# KiCad board SparkFun_RTK_Facet_mosaic_panelized.kicad_pcb (continued)
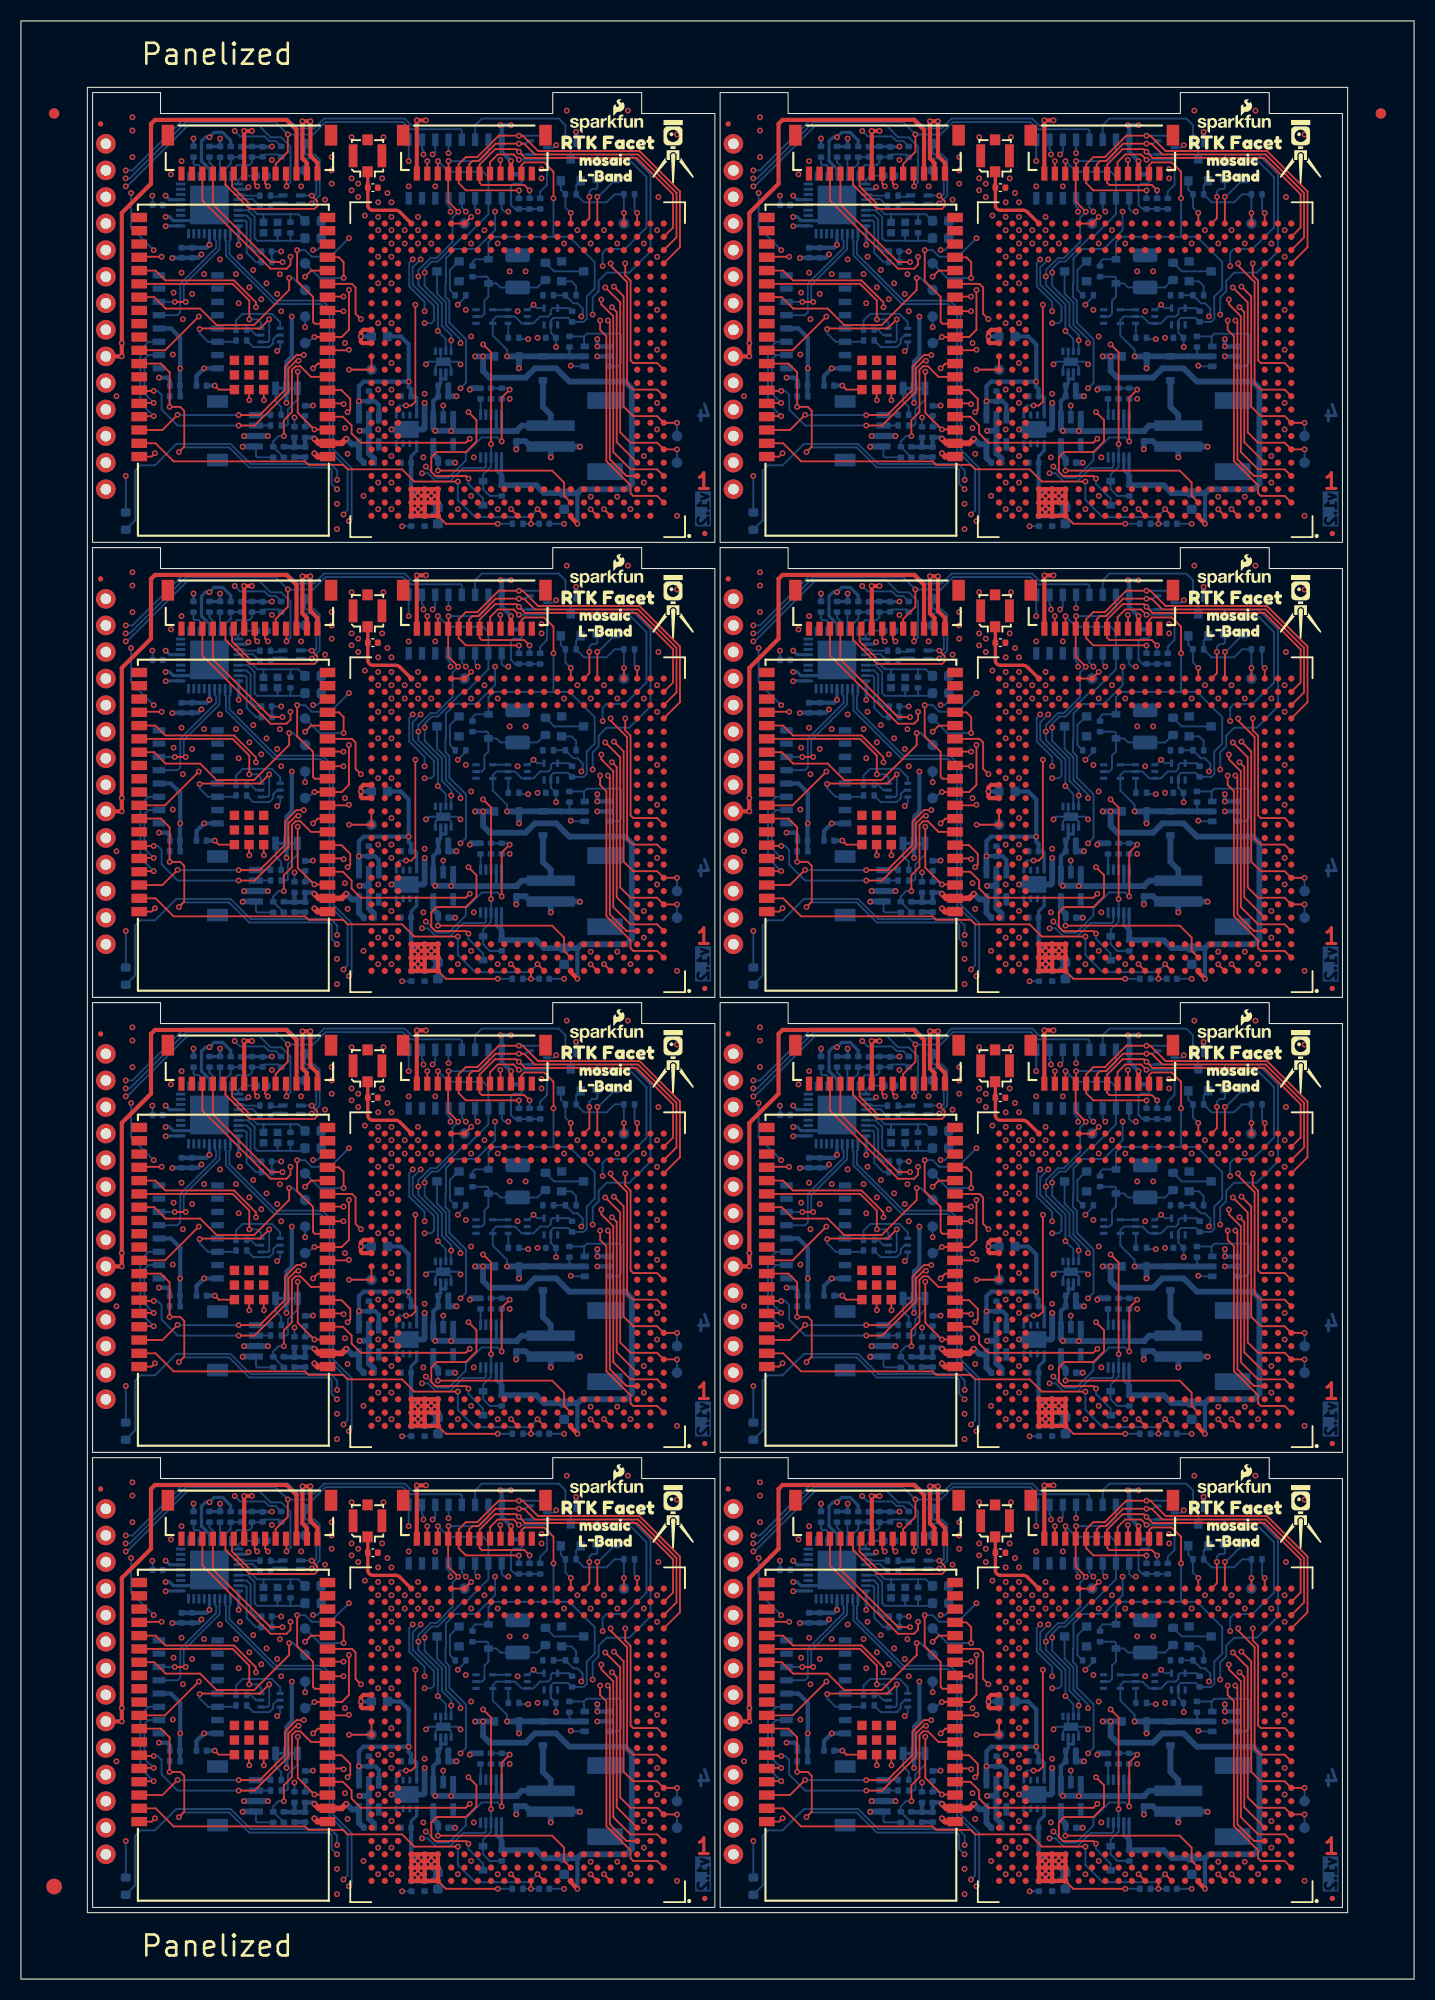
[diagram p0: board, top side]
## Routing (per net, layer and track width the routed paths; a pad name or vN(x,y) marks a point on that pad's centre or on a via; arc(x,y) is an arc through that point) (continued)
ESP23/MOnOff: length 346
  Top w0.178: v1(49.4,97.03) U2#8.A10 ; v1(41.78,56.17) 37.61,56.17 36.44,57.33 31.23,57.33 30.8,57.77 27.5,57.77 27.17,58.1 14.6,58.1 12.87,59.82 U1#3.37 ; U1#2.37 72.87,59.82 74.6,58.1 87.17,58.1 87.5,57.77 90.8,57.77 91.23,57.33 96.44,57.33 97.61,56.17 v1(101.78,56.17) ; U1#6.37 72.87,103.32 74.6,101.6 87.17,101.6 87.5,101.27 90.8,101.27 91.23,100.84 96.44,100.84 97.61,99.67 v1(101.78,99.67) ; v1(49.4,140.53) U2#7.A10 ; v1(101.78,12.67) 97.61,12.67 96.44,13.84 91.23,13.84 90.8,14.27 87.5,14.27 87.17,14.6 74.6,14.6 72.87,16.32 U1#5.37 ; v1(101.78,143.17) 97.61,143.17 96.44,144.34 91.23,144.34 90.8,144.77 87.5,144.77 87.17,145.1 74.6,145.1 72.87,146.82 U1#8.37 ; v1(41.78,99.67) 37.61,99.67 36.44,100.84 31.23,100.84 30.8,101.27 27.5,101.27 27.17,101.6 14.6,101.6 12.87,103.32 U1.37 ; v1(41.78,143.17) 37.61,143.17 36.44,144.34 31.23,144.34 30.8,144.77 27.5,144.77 27.17,145.1 14.6,145.1 12.87,146.82 U1#4.37 ; v1(109.4,97.03) U2#6.A10 ; v1(109.4,53.53) U2#2.A10 ; v1(49.4,53.53) U2#5.A10 ; U1#7.37 12.87,16.32 14.6,14.6 27.17,14.6 27.5,14.27 30.8,14.27 31.23,13.84 36.44,13.84 37.61,12.67 v1(41.78,12.67) ; v1(109.4,140.53) U2.A10 ; v1(49.4,10.03) U2#4.A10 ; v1(109.4,10.03) U2#3.A10
  Bottom w0.178: v1(101.78,12.67) 101.78,10.91 103.43,9.26 108.63,9.26 v1(109.4,10.03) ; v1(41.78,56.17) 41.78,54.41 43.43,52.76 48.63,52.76 v1(49.4,53.53) ; v1(101.78,99.67) 101.78,97.91 103.43,96.26 108.63,96.26 v1(109.4,97.03) ; v1(109.4,140.53) 108.63,139.76 103.43,139.76 101.78,141.41 v1(101.78,143.17) ; v1(49.4,97.03) 48.63,96.26 43.43,96.26 41.78,97.91 v1(41.78,99.67) ; v1(109.4,53.53) 108.63,52.76 103.43,52.76 101.78,54.41 v1(101.78,56.17) ; v1(41.78,12.67) 41.78,10.91 43.43,9.26 48.63,9.26 v1(49.4,10.03) ; v1(41.78,143.17) 41.78,141.41 43.43,139.76 48.63,139.76 v1(49.4,140.53)
ESP25/MRX4: length 413.6
  Top w0.178: v1(91.36,74.48) 91.36,70.67 90.67,69.98 U1#2.10 v1(88.06,69.98) ; U2#5.D3 57.9,56.7 56.3,58.3 56.3,71.37 v1(56.11,71.56) ; v1(31.36,117.98) 31.36,114.17 30.67,113.48 U1.10 v1(28.06,113.48) ; v1(116.11,71.56) 116.3,71.37 116.3,58.3 117.9,56.7 U2#2.D3 ; U2.D3 117.9,143.7 116.3,145.3 116.3,158.37 v1(116.11,158.56) ; v1(56.11,28.06) 56.3,27.87 56.3,14.8 57.9,13.2 U2#4.D3 ; v1(56.11,115.06) 56.3,114.87 56.3,101.8 57.9,100.2 U2#8.D3 ; v1(88.06,113.48) U1#6.10 90.67,113.48 91.36,114.17 v1(91.36,117.98) ; v1(31.36,74.48) 31.36,70.67 30.67,69.98 U1#3.10 v1(28.06,69.98) ; U2#6.D3 117.9,100.2 116.3,101.8 116.3,114.87 v1(116.11,115.06) ; v1(88.06,156.98) U1#8.10 90.67,156.98 91.36,157.67 v1(91.36,161.48) ; v1(56.11,158.56) 56.3,158.37 56.3,145.3 57.9,143.7 U2#7.D3 ; v1(88.06,26.48) U1#5.10 90.67,26.48 91.36,27.17 v1(91.36,30.98) ; v1(31.36,161.48) 31.36,157.67 30.67,156.98 U1#4.10 v1(28.06,156.98) ; v1(31.36,30.98) 31.36,27.17 30.67,26.48 U1#7.10 v1(28.06,26.48) ; U2#3.D3 117.9,13.2 116.3,14.8 116.3,27.87 v1(116.11,28.06)
  In2.Cu w0.178: v1(56.11,28.06) 56.11,28.58 54.27,30.42 37.1,30.42 36.75,30.07 32.28,30.07 v1(31.36,30.98) ; v1(116.11,28.06) 116.11,28.58 114.27,30.42 97.1,30.42 96.75,30.07 92.28,30.07 v1(91.36,30.98) ; v1(91.36,117.98) 92.28,117.07 96.75,117.07 97.1,117.42 114.27,117.42 116.11,115.58 v1(116.11,115.06) ; v1(116.11,158.56) 116.11,159.08 114.27,160.92 97.1,160.92 96.75,160.57 92.28,160.57 v1(91.36,161.48) ; v1(31.36,117.98) 32.28,117.07 36.75,117.07 37.1,117.42 54.27,117.42 56.11,115.58 v1(56.11,115.06) ; v1(116.11,71.56) 116.11,72.08 114.27,73.92 97.1,73.92 96.75,73.57 92.28,73.57 v1(91.36,74.48) ; v1(31.36,161.48) 32.28,160.57 36.75,160.57 37.1,160.92 54.27,160.92 56.11,159.08 v1(56.11,158.56) ; v1(31.36,74.48) 32.28,73.57 36.75,73.57 37.1,73.92 54.27,73.92 56.11,72.08 v1(56.11,71.56)
  Bottom w0.178: TP17#7.1 87.39,156.4 87.97,156.98 v1(88.06,156.98) ; TP17#5.1 27.39,112.9 27.97,113.48 v1(28.06,113.48) ; v1(28.06,26.48) 27.97,26.48 27.39,25.9 TP17#2.1 ; v1(88.06,69.98) 87.97,69.98 87.39,69.4 TP17#4.1 ; v1(28.06,69.98) 27.97,69.98 27.39,69.4 TP17#3.1 ; TP17#6.1 87.39,25.9 87.97,26.48 v1(88.06,26.48) ; v1(88.06,113.48) 87.97,113.48 87.39,112.9 TP17.1 ; v1(28.06,156.98) 27.97,156.98 27.39,156.4 TP17#8.1
ESP26/DAC2: length 317.6
  Top w0.178: U1#2.11 88.11,71.25 87.93,71.43 87.93,73.82 86.41,75.34 v1(86.41,78.29) ; U1.11 28.11,114.75 27.93,114.93 27.93,117.32 26.41,118.84 v1(26.41,121.79) ; U1#4.11 28.11,158.25 27.93,158.43 27.93,160.82 26.41,162.34 v1(26.41,165.29) ; U1#3.11 28.11,71.25 27.93,71.43 27.93,73.82 26.41,75.34 v1(26.41,78.29) ; v1(86.41,165.29) 86.41,162.34 87.93,160.82 87.93,158.43 88.11,158.25 U1#8.11 ; U1#5.11 88.11,27.75 87.93,27.93 87.93,30.32 86.41,31.84 v1(86.41,34.79) ; U1#7.11 28.11,27.75 27.93,27.93 27.93,30.32 26.41,31.84 v1(26.41,34.79) ; U1#6.11 88.11,114.75 87.93,114.93 87.93,117.32 86.41,118.84 v1(86.41,121.79)
  In2.Cu w0.178: v1(99.36,174.43) 98.84,174.96 98.23,174.96 98.22,174.94 96.86,174.94 96.22,174.3 96.22,173 99.89,169.33 99.89,168.47 100.1,168.27 100.1,165.56 99.83,165.29 92.5,165.29 v1(91.36,166.43) ; v1(31.36,122.93) 32.5,121.79 39.83,121.79 40.1,122.06 40.1,124.77 39.89,124.97 39.89,125.83 36.22,129.5 36.22,130.8 36.86,131.44 38.22,131.44 38.23,131.46 38.84,131.46 v1(39.36,130.93) ; v1(91.36,79.43) 92.5,78.29 99.83,78.29 100.1,78.56 100.1,81.27 99.89,81.47 99.89,82.33 96.22,86 96.22,87.3 96.86,87.94 98.22,87.94 98.23,87.96 98.84,87.96 v1(99.36,87.43) ; v1(91.36,122.93) 92.5,121.79 99.83,121.79 100.1,122.06 100.1,124.77 99.89,124.97 99.89,125.83 96.22,129.5 96.22,130.8 96.86,131.44 98.22,131.44 98.23,131.46 98.84,131.46 v1(99.36,130.93) ; v1(91.36,35.93) 92.5,34.79 99.83,34.79 100.1,35.06 100.1,37.77 99.89,37.97 99.89,38.83 96.22,42.5 96.22,43.8 96.86,44.44 98.22,44.44 98.23,44.46 98.84,44.46 v1(99.36,43.93) ; v1(31.36,166.43) 32.5,165.29 39.83,165.29 40.1,165.56 40.1,168.27 39.89,168.47 39.89,169.33 36.22,173 36.22,174.3 36.86,174.94 38.22,174.94 38.23,174.96 38.84,174.96 v1(39.36,174.43) ; v1(31.36,35.93) 32.5,34.79 39.83,34.79 40.1,35.06 40.1,37.77 39.89,37.97 39.89,38.83 36.22,42.5 36.22,43.8 36.86,44.44 38.22,44.44 38.23,44.46 38.84,44.46 v1(39.36,43.93) ; v1(39.36,87.43) 38.84,87.96 38.23,87.96 38.22,87.94 36.86,87.94 36.22,87.3 36.22,86 39.89,82.33 39.89,81.47 40.1,81.27 40.1,78.56 39.83,78.29 32.5,78.29 v1(31.36,79.43)
  Bottom w0.178: v1(99.36,43.93) 99.62,44.19 U13#3.11 ; v1(26.41,78.29) 27.17,78.29 27.81,77.66 29.58,77.66 v1(31.36,79.43) ; v1(86.41,165.29) 87.17,165.29 87.81,164.66 89.58,164.66 v1(91.36,166.43) ; U13.11 99.62,131.19 v1(99.36,130.93) ; U13#8.11 39.62,87.69 v1(39.36,87.43) ; v1(31.36,35.93) 29.58,34.16 27.81,34.16 27.17,34.79 v1(26.41,34.79) ; v1(99.36,174.43) 99.62,174.69 U13#5.11 ; U13#2.11 39.62,174.69 v1(39.36,174.43) ; U13#4.11 39.62,44.19 v1(39.36,43.93) ; v1(86.41,121.79) 87.17,121.79 87.81,121.16 89.58,121.16 v1(91.36,122.93) ; v1(26.41,165.29) 27.17,165.29 27.81,164.66 29.58,164.66 v1(31.36,166.43) ; U13#6.11 99.62,87.69 v1(99.36,87.43) ; U13#7.11 39.62,131.19 v1(39.36,130.93) ; v1(91.36,79.43) 89.58,77.66 87.81,77.66 87.17,78.29 v1(86.41,78.29) ; v1(31.36,122.93) 29.58,121.16 27.81,121.16 27.17,121.79 v1(26.41,121.79) ; v1(91.36,35.93) 89.58,34.16 87.81,34.16 87.17,34.79 v1(86.41,34.79)
ESP27/PeripheralPower: length 166
  Top w0.178: v1(96.82,63.43) 97.33,63.43 97.71,63.81 v1(97.71,73.07) ; v1(37.71,116.57) 37.71,107.31 37.33,106.93 v1(36.82,106.93) ; v1(36.82,150.43) 37.33,150.43 37.71,150.81 v1(37.71,160.07) ; v1(30.84,115.95) 29.39,115.95 U1.12 ; v1(97.71,29.57) 97.71,20.31 97.33,19.93 v1(96.82,19.93) ; U1#7.12 29.39,28.95 v1(30.84,28.95) ; v1(36.82,19.93) 37.33,19.93 37.71,20.31 v1(37.71,29.57) ; v1(90.84,28.95) 89.39,28.95 U1#5.12 ; v1(37.71,73.07) 37.71,63.81 37.33,63.43 v1(36.82,63.43) ; v1(97.71,116.57) 97.71,107.31 97.33,106.93 v1(96.82,106.93) ; v1(30.84,159.45) 29.39,159.45 U1#4.12 ; v1(90.84,115.95) 89.39,115.95 U1#6.12 ; v1(97.71,160.07) 97.71,150.81 97.33,150.43 v1(96.82,150.43) ; v1(90.84,159.45) 89.39,159.45 U1#8.12 ; v1(90.84,72.45) 89.39,72.45 U1#2.12 ; U1#3.12 29.39,72.45 v1(30.84,72.45)
  In2.Cu w0.178: v1(37.71,116.57) 37.55,116.41 31.3,116.41 v1(30.84,115.95) ; v1(90.84,115.95) 91.3,116.41 97.55,116.41 v1(97.71,116.57) ; v1(90.84,72.45) 91.3,72.91 97.55,72.91 v1(97.71,73.07) ; v1(37.71,73.07) 37.55,72.91 31.3,72.91 v1(30.84,72.45) ; v1(37.71,29.57) 37.55,29.41 31.3,29.41 v1(30.84,28.95) ; v1(30.84,159.45) 31.3,159.91 37.55,159.91 v1(37.71,160.07) ; v1(97.71,29.57) 97.55,29.41 91.3,29.41 v1(90.84,28.95) ; v1(90.84,159.45) 91.3,159.91 97.55,159.91 v1(97.71,160.07)
  Bottom w0.178: v1(37.71,29.57) 37.77,29.51 ; v1(97.71,116.57) 97.77,116.51 ; U7#6.5 35.89,19.63 36.19,19.93 v1(36.82,19.93) ; U7#4.5 35.89,150.13 36.19,150.43 v1(36.82,150.43) ; v1(96.82,63.43) 96.19,63.43 95.89,63.13 U7#7.5 ; v1(37.71,73.07) 37.77,73.01 ; v1(37.71,116.57) 37.77,116.51 ; v1(96.82,19.93) 96.19,19.93 95.89,19.63 U7#8.5 ; v1(97.71,160.07) 97.77,160.01 ; v1(36.82,106.93) 36.19,106.93 35.89,106.63 U7#3.5 ; v1(97.71,29.57) 97.77,29.51 ; v1(97.71,73.07) 97.77,73.01 ; v1(37.71,160.07) 37.77,160.01 ; v1(36.82,63.43) 36.19,63.43 35.89,63.13 U7#5.5 ; v1(96.82,106.93) 96.19,106.93 95.89,106.63 U7.5 ; v1(96.82,150.43) 96.19,150.43 95.89,150.13 U7#2.5
ESP32/PowerControl: length 195.6
  Top w0.178: U1#8.8 88.39,154.44 v1(87.93,153.99) ; v1(27.93,110.49) 28.39,110.94 U1.8 ; v1(27.93,66.99) 28.39,67.44 U1#3.8 ; v1(27.93,23.49) 28.39,23.94 U1#7.8 ; U1#2.8 88.39,67.44 v1(87.93,66.99) ; U1#4.8 28.39,154.44 v1(27.93,153.99) ; v1(87.93,110.49) 88.39,110.94 U1#6.8 ; U1#5.8 88.39,23.94 v1(87.93,23.49)
  In2.Cu w0.178: v1(42.03,112.9) 41.39,112.27 33.44,112.27 32.05,110.88 28.32,110.88 v1(27.93,110.49) ; v1(87.93,23.49) 88.32,23.88 92.05,23.88 93.44,25.26 101.39,25.26 v1(102.03,25.9) ; v1(102.03,69.4) 101.39,68.77 93.44,68.77 92.05,67.38 88.32,67.38 v1(87.93,66.99) ; v1(87.93,153.99) 88.32,154.38 92.05,154.38 93.44,155.76 101.39,155.76 v1(102.03,156.4) ; v1(102.03,112.9) 101.39,112.27 93.44,112.27 92.05,110.88 88.32,110.88 v1(87.93,110.49) ; v1(42.03,69.4) 41.39,68.77 33.44,68.77 32.05,67.38 28.32,67.38 v1(27.93,66.99) ; v1(27.93,153.99) 28.32,154.38 32.05,154.38 33.44,155.76 41.39,155.76 v1(42.03,156.4) ; v1(42.03,25.9) 41.39,25.26 33.44,25.26 32.05,23.88 28.32,23.88 v1(27.93,23.49)
  Bottom w0.178: v1(102.03,112.9) 102.03,113.24 100.63,114.64 100.63,116.8 99.79,117.64 Q5.3 ; v1(102.03,156.4) 102.03,156.74 100.63,158.14 100.63,160.3 99.79,161.14 Q5#6.3 ; v1(42.03,112.9) 42.03,113.24 40.63,114.64 40.63,116.8 39.79,117.64 Q5#8.3 ; Q5#4.3 39.79,30.64 40.63,29.8 40.63,27.64 42.03,26.24 v1(42.03,25.9) ; v1(102.03,69.4) 102.03,69.74 100.63,71.14 100.63,73.3 99.79,74.14 Q5#7.3 ; v1(42.03,156.4) 42.03,156.74 40.63,158.14 40.63,160.3 39.79,161.14 Q5#5.3 ; v1(42.03,69.4) 42.03,69.74 40.63,71.14 40.63,73.3 39.79,74.14 Q5#2.3 ; v1(102.03,25.9) 102.03,26.24 100.63,27.64 100.63,29.8 99.79,30.64 Q5#3.3
ESP33/FastOff: length 237.9
  Top w0.178: U1#7.9 31.31,25.21 v1(31.36,25.26) ; v1(31.36,112.27) 31.31,112.21 U1.9 ; v1(31.36,155.76) 31.31,155.71 U1#4.9 ; v1(91.36,25.26) 91.31,25.21 U1#5.9 ; U1#8.9 91.31,155.71 v1(91.36,155.76) ; U1#2.9 91.31,68.71 v1(91.36,68.77) ; U1#6.9 91.31,112.21 v1(91.36,112.27) ; U1#3.9 31.31,68.71 v1(31.36,68.77)
  In2.Cu w0.178: v1(113.59,158.95) 112.94,158.31 101.52,158.31 100.14,156.92 93.66,156.92 92.5,155.76 v1(91.36,155.76) ; v1(113.59,71.95) 112.94,71.31 101.52,71.31 100.14,69.92 93.66,69.92 92.5,68.77 v1(91.36,68.77) ; v1(31.36,155.76) 32.5,155.76 33.66,156.92 40.14,156.92 41.52,158.31 52.94,158.31 v1(53.59,158.95) ; v1(53.59,28.45) 52.94,27.81 41.52,27.81 40.14,26.42 33.66,26.42 32.5,25.26 v1(31.36,25.26) ; v1(113.59,28.45) 112.94,27.81 101.52,27.81 100.14,26.42 93.66,26.42 92.5,25.26 v1(91.36,25.26) ; v1(91.36,112.27) 92.5,112.27 93.66,113.42 100.14,113.42 101.52,114.81 112.94,114.81 v1(113.59,115.45) ; v1(53.59,71.95) 52.94,71.31 41.52,71.31 40.14,69.92 33.66,69.92 32.5,68.77 v1(31.36,68.77) ; v1(31.36,112.27) 32.5,112.27 33.66,113.42 40.14,113.42 41.52,114.81 52.94,114.81 v1(53.59,115.45)
  Bottom w0.178: R39#7.1 R35#4.2 112.82,116.71 113.21,116.71 113.71,116.2 113.71,115.58 v1(113.59,115.45) ; v1(53.59,158.95) 53.71,159.08 53.71,159.7 53.21,160.21 52.82,160.21 R35#2.2 R39.1 ; v1(53.59,71.95) 53.71,72.08 53.71,72.7 53.21,73.21 52.82,73.21 R35#8.2 R39#5.1 ; R39#3.1 R35#3.2 112.82,160.21 113.21,160.21 113.71,159.7 113.71,159.08 v1(113.59,158.95) ; R39#6.1 R35#7.2 52.82,29.71 53.21,29.71 53.71,29.2 53.71,28.58 v1(53.59,28.45) ; R39#2.1 R35#5.2 112.82,29.71 113.21,29.71 113.71,29.2 113.71,28.58 v1(113.59,28.45) ; R39#4.1 R35.2 52.82,116.71 53.21,116.71 53.71,116.2 53.71,115.58 v1(53.59,115.45) ; v1(113.59,71.95) 113.71,72.08 113.71,72.7 113.21,73.21 112.82,73.21 R35#6.2 R39#8.1
ESP34/CHG_STAT1: length 306.4
  Top w0.178: v1(42.79,56.45) 42.55,56.69 39.63,56.69 39.24,57.08 39.24,58.48 39.74,58.99 42.54,58.99 43.55,60 43.55,62.03 v1(42.79,62.8) ; v1(102.79,19.3) 103.55,18.53 103.55,16.5 102.54,15.49 99.74,15.49 99.24,14.98 99.24,13.58 99.63,13.19 102.55,13.19 v1(102.79,12.95) ; v1(102.79,62.8) 103.55,62.03 103.55,60 102.54,58.99 99.74,58.99 99.24,58.48 99.24,57.08 99.63,56.69 102.55,56.69 v1(102.79,56.45) ; v1(102.79,106.3) 103.55,105.53 103.55,103.5 102.54,102.49 99.74,102.49 99.24,101.98 99.24,100.58 99.63,100.19 102.55,100.19 v1(102.79,99.95) ; v1(42.79,143.45) 42.55,143.69 39.63,143.69 39.24,144.08 39.24,145.48 39.74,145.99 42.54,145.99 43.55,147 43.55,149.03 v1(42.79,149.8) ; U1#7.6 30.65,21.4 31.49,20.57 31.49,19.55 v1(31.23,19.3) ; U1#3.6 30.65,64.9 31.49,64.07 31.49,63.05 v1(31.23,62.8) ; U1#4.6 30.65,151.9 31.49,151.07 31.49,150.05 v1(31.23,149.8) ; U1#6.6 90.65,108.4 91.49,107.57 91.49,106.55 v1(91.23,106.3) ; v1(31.23,106.3) 31.49,106.55 31.49,107.57 30.65,108.4 U1.6 ; U1#5.6 90.65,21.4 91.49,20.57 91.49,19.55 v1(91.23,19.3) ; v1(42.79,106.3) 43.55,105.53 43.55,103.5 42.54,102.49 39.74,102.49 39.24,101.98 39.24,100.58 39.63,100.19 42.55,100.19 v1(42.79,99.95) ; v1(91.23,62.8) 91.49,63.05 91.49,64.07 90.65,64.9 U1#2.6 ; v1(91.23,149.8) 91.49,150.05 91.49,151.07 90.65,151.9 U1#8.6 ; v1(42.79,19.3) 43.55,18.53 43.55,16.5 42.54,15.49 39.74,15.49 39.24,14.98 39.24,13.58 39.63,13.19 42.55,13.19 v1(42.79,12.95) ; v1(102.79,143.45) 102.55,143.69 99.63,143.69 99.24,144.08 99.24,145.48 99.74,145.99 102.54,145.99 103.55,147 103.55,149.03 v1(102.79,149.8)
  In2.Cu w0.178: v1(26.15,105.79) 26.66,106.3 v1(31.23,106.3) 31.55,105.98 42.47,105.98 v1(42.79,106.3) ; v1(102.79,19.3) 102.47,18.98 91.55,18.98 v1(91.23,19.3) 86.66,19.3 v1(86.15,18.79) ; v1(26.15,149.29) 26.66,149.8 v1(31.23,149.8) 31.55,149.48 42.47,149.48 v1(42.79,149.8) ; v1(86.15,105.79) 86.66,106.3 v1(91.23,106.3) 91.55,105.98 102.47,105.98 v1(102.79,106.3) ; v1(86.15,149.29) 86.66,149.8 v1(91.23,149.8) 91.55,149.48 102.47,149.48 v1(102.79,149.8) ; v1(86.15,62.29) 86.66,62.8 v1(91.23,62.8) 91.55,62.48 102.47,62.48 v1(102.79,62.8) ; v1(42.79,19.3) 42.47,18.98 31.55,18.98 v1(31.23,19.3) 26.66,19.3 v1(26.15,18.79) ; v1(42.79,62.8) 42.47,62.48 31.55,62.48 v1(31.23,62.8) 26.66,62.8 v1(26.15,62.29)
  Bottom w0.178: v1(102.79,56.45) 102.79,55.94 104.19,54.54 D6#4.A ; D6#2.A 44.19,11.04 42.79,12.44 v1(42.79,12.95) ; v1(102.79,99.95) 102.79,99.44 104.19,98.04 D6.A ; v1(102.79,143.45) 102.79,142.94 104.19,141.54 D6#3.A ; v1(86.15,149.29) R43.2 ; v1(42.79,99.95) 42.79,99.44 44.19,98.04 D6#7.A ; v1(86.15,18.79) 86.15,17.9 ; v1(26.15,62.29) R43#5.2 ; v1(42.79,56.45) 42.79,55.94 44.19,54.54 D6#5.A ; v1(102.79,12.95) 102.79,12.44 104.19,11.04 D6#8.A ; v1(42.79,143.45) 42.79,142.94 44.19,141.54 D6#6.A ; v1(26.15,18.79) 26.15,17.9 ; v1(86.15,62.29) R43#2.2 ; v1(26.15,105.79) 26.15,104.9 ; v1(26.15,149.29) R43#6.2 ; v1(86.15,105.79) 86.15,104.9
ESP35/DeviceSense: length 110.4
  Top w0.178: v1(85.14,60.51) 85.14,62.03 85.91,62.81 85.91,66.59 85.9,66.61 85.9,66.84 86.25,67.19 86.72,67.19 87.73,66.17 U1#2.7 ; U1#4.7 27.73,153.17 26.72,154.19 26.25,154.19 25.9,153.84 25.9,153.61 25.91,153.59 25.91,149.81 25.14,149.03 v1(25.14,147.51) ; U1#3.7 27.73,66.17 26.72,67.19 26.25,67.19 25.9,66.84 25.9,66.61 25.91,66.59 25.91,62.81 25.14,62.03 v1(25.14,60.51) ; U1#7.7 27.73,22.67 26.72,23.69 26.25,23.69 25.9,23.34 25.9,23.11 25.91,23.09 25.91,19.31 25.14,18.53 v1(25.14,17.01) ; v1(85.14,104.01) 85.14,105.53 85.91,106.31 85.91,110.09 85.9,110.11 85.9,110.34 86.25,110.69 86.72,110.69 87.73,109.67 U1#6.7 ; U1.7 27.73,109.67 26.72,110.69 26.25,110.69 25.9,110.34 25.9,110.11 25.91,110.09 25.91,106.31 25.14,105.53 v1(25.14,104.01) ; U1#8.7 87.73,153.17 86.72,154.19 86.25,154.19 85.9,153.84 85.9,153.61 85.91,153.59 85.91,149.81 85.14,149.03 v1(85.14,147.51) ; U1#5.7 87.73,22.67 86.72,23.69 86.25,23.69 85.9,23.34 85.9,23.11 85.91,23.09 85.91,19.31 85.14,18.53 v1(85.14,17.01)
  Bottom w0.178: v1(85.14,147.51) 84.63,147.51 84.12,147 R8#8.1 84.12,146.49 R7.2 ; R7#7.2 84.12,59.49 R8#4.1 84.12,60 84.63,60.51 v1(85.14,60.51) ; R7#8.2 84.12,15.99 R8#2.1 84.12,16.5 84.63,17.01 v1(85.14,17.01) ; v1(25.14,104.01) 24.63,104.01 24.12,103.5 R8#3.1 24.12,102.99 R7#2.2 ; R7#5.2 24.12,59.49 R8#7.1 24.12,60 24.63,60.51 v1(25.14,60.51) ; v1(25.14,147.51) 24.63,147.51 24.12,147 R8#6.1 24.12,146.49 R7#6.2 ; R7#4.2 24.12,15.99 R8#5.1 24.12,16.5 24.63,17.01 v1(25.14,17.01) ; R7#3.2 84.12,102.99 R8.1 84.12,103.5 84.63,104.01 v1(85.14,104.01)
ESP36/MRDY: length 196
  Top w0.178: U2#7.A12 v1(46.85,140.53) ; v1(102.92,147.26) 102.54,146.88 92.5,146.88 91.62,147.76 91.62,148.53 90.78,149.36 U1#8.4 ; v1(102.92,103.76) 102.54,103.38 92.5,103.38 91.62,104.26 91.62,105.03 90.78,105.86 U1#6.4 ; v1(102.92,16.76) 102.54,16.38 92.5,16.38 91.62,17.26 91.62,18.03 90.78,18.86 U1#5.4 ; v1(42.92,147.26) 42.54,146.88 32.5,146.88 31.61,147.76 31.61,148.53 30.78,149.36 U1#4.4 ; U2#8.A12 v1(46.85,97.03) ; v1(42.92,60.26) 42.54,59.88 32.5,59.88 31.61,60.76 31.61,61.53 30.78,62.36 U1#3.4 ; U1#2.4 90.78,62.36 91.62,61.53 91.62,60.76 92.5,59.88 102.54,59.88 v1(102.92,60.26) ; U2.A12 v1(106.85,140.53) ; U2#6.A12 v1(106.85,97.03) ; U2#5.A12 v1(46.85,53.53) ; v1(42.92,16.76) 42.54,16.38 32.5,16.38 31.61,17.26 31.61,18.03 30.78,18.86 U1#7.4 ; U2#4.A12 v1(46.85,10.03) ; U2#2.A12 v1(106.85,53.53) ; v1(42.92,103.76) 42.54,103.38 32.5,103.38 31.61,104.26 31.61,105.03 30.78,105.86 U1.4 ; U2#3.A12 v1(106.85,10.03)
  In2.Cu w0.178: v1(42.92,60.26) 46.85,56.32 v1(46.85,53.53) ; v1(106.85,10.03) 106.85,12.82 v1(102.92,16.76) ; v1(42.92,16.76) 46.85,12.82 v1(46.85,10.03) ; v1(42.92,103.76) 46.85,99.82 v1(46.85,97.03) ; v1(42.92,147.26) 46.85,143.32 v1(46.85,140.53) ; v1(106.85,53.53) 106.85,56.32 v1(102.92,60.26) ; v1(106.85,140.53) 106.85,143.32 v1(102.92,147.26) ; v1(102.92,103.76) 106.85,99.82 v1(106.85,97.03)
ESP39/ADC39: length 337.6
  Top w0.178: U1.5 30.78,107.13 v1(30.85,107.06) ; v1(90.85,63.56) 90.78,63.63 U1#2.5 ; U1#8.5 90.78,150.63 v1(90.85,150.56) ; v1(30.85,63.56) 30.78,63.63 U1#3.5 ; U1#6.5 90.78,107.13 v1(90.85,107.06) ; U1#7.5 30.78,20.13 v1(30.85,20.06) ; v1(30.85,150.56) 30.78,150.63 U1#4.5 ; U1#5.5 90.78,20.13 v1(90.85,20.06)
  In2.Cu w0.178: v1(105.33,125.47) 104.14,126.67 102.71,126.67 102.54,126.49 v1(102.54,125.47) ; v1(45.33,125.47) 44.14,126.67 42.71,126.67 42.54,126.49 v1(42.54,125.47) ; v1(45.33,81.97) 44.14,83.17 42.71,83.17 42.54,82.99 v1(42.54,81.97) ; v1(45.33,168.97) 44.14,170.17 42.71,170.17 42.54,169.99 v1(42.54,168.97) ; v1(102.03,21.58) 102.28,21.33 102.28,19.93 101.66,19.31 92.24,19.31 91.49,20.06 v1(90.85,20.06) ; v1(90.85,63.56) 91.49,63.56 92.24,62.81 101.66,62.81 102.28,63.43 102.28,64.83 v1(102.03,65.08) ; v1(45.33,38.47) 44.14,39.67 42.71,39.67 42.54,39.49 v1(42.54,38.47) ; v1(102.54,38.47) 102.54,39.49 102.71,39.67 104.14,39.67 v1(105.33,38.47) ; v1(42.03,108.58) 42.28,108.33 42.28,106.93 41.66,106.31 32.24,106.31 31.49,107.06 v1(30.85,107.06) ; v1(90.85,107.06) 91.49,107.06 92.24,106.31 101.66,106.31 102.28,106.93 102.28,108.33 v1(102.03,108.58) ; v1(102.54,81.97) 102.54,82.99 102.71,83.17 104.14,83.17 v1(105.33,81.97) ; v1(42.03,152.08) 42.28,151.83 42.28,150.43 41.66,149.81 32.24,149.81 31.49,150.56 v1(30.85,150.56) ; v1(42.03,21.58) 42.28,21.33 42.28,19.93 41.66,19.31 32.24,19.31 31.49,20.06 v1(30.85,20.06) ; v1(105.33,168.97) 104.14,170.17 102.71,170.17 102.54,169.99 v1(102.54,168.97) ; v1(42.03,65.08) 42.28,64.83 42.28,63.43 41.66,62.81 32.24,62.81 31.49,63.56 v1(30.85,63.56) ; v1(90.85,150.56) 91.49,150.56 92.24,149.81 101.66,149.81 102.28,150.43 102.28,151.83 v1(102.03,152.08)
  Bottom w0.178: v1(42.03,65.08) 42.55,65.6 42.55,68.24 42.54,68.26 42.55,68.27 42.55,69.77 40.96,71.36 40.96,73.43 40.59,73.8 40.59,75.07 40.63,75.11 40.63,77.5 41.53,78.4 43.54,78.4 45.33,80.19 v1(45.33,81.97) ; v1(42.03,108.58) 42.55,109.1 42.55,111.74 42.54,111.76 42.55,111.77 42.55,113.27 40.96,114.86 40.96,116.93 40.59,117.3 40.59,118.57 40.63,118.62 40.63,121 41.53,121.9 43.54,121.9 45.33,123.69 v1(45.33,125.47) ; v1(102.03,65.08) 102.55,65.6 102.55,68.24 102.54,68.26 102.55,68.27 102.55,69.77 100.96,71.36 100.96,73.43 100.59,73.8 100.59,75.07 100.63,75.11 100.63,77.5 101.53,78.4 103.54,78.4 105.33,80.19 v1(105.33,81.97) ; U13#3.4 102.16,38.85 v1(102.54,38.47) ; v1(45.33,38.47) 45.33,36.69 43.54,34.9 41.53,34.9 40.63,34 40.63,31.61 40.59,31.57 40.59,30.3 40.96,29.93 40.96,27.86 42.55,26.27 42.55,24.77 42.54,24.76 42.55,24.74 42.55,22.1 v1(42.03,21.58) ; U13#7.4 42.16,125.85 v1(42.54,125.47) ; v1(102.03,21.58) 102.55,22.1 102.55,24.74 102.54,24.76 102.55,24.77 102.55,26.27 100.96,27.86 100.96,29.93 100.59,30.3 100.59,31.57 100.63,31.61 100.63,34 101.53,34.9 103.54,34.9 105.33,36.69 v1(105.33,38.47) ; v1(102.54,168.97) 102.16,169.35 U13#5.4 ; U13#6.4 102.16,82.35 v1(102.54,81.97) ; v1(45.33,168.97) 45.33,167.19 43.54,165.4 41.53,165.4 40.63,164.5 40.63,162.12 40.59,162.07 40.59,160.8 40.96,160.43 40.96,158.36 42.55,156.77 42.55,155.27 42.54,155.26 42.55,155.24 42.55,152.6 v1(42.03,152.08) ; U13#8.4 42.16,82.35 v1(42.54,81.97) ; U13#2.4 42.16,169.35 v1(42.54,168.97) ; v1(105.33,168.97) 105.33,167.19 103.54,165.4 101.53,165.4 100.63,164.5 100.63,162.12 100.59,162.07 100.59,160.8 100.96,160.43 100.96,158.36 102.55,156.77 102.55,155.27 102.54,155.26 102.55,155.24 102.55,152.6 v1(102.03,152.08) ; v1(105.33,125.47) 105.33,123.69 103.54,121.9 101.53,121.9 100.63,121 100.63,118.62 100.59,118.57 100.59,117.3 100.96,116.93 100.96,114.86 102.55,113.27 102.55,111.77 102.54,111.76 102.55,111.74 102.55,109.1 v1(102.03,108.58) ; U13.4 102.16,125.85 v1(102.54,125.47) ; v1(42.54,38.47) 42.16,38.85 U13#4.4
ESP_DM: length 84.8
  Top w0.178: v1(14.71,29.84) v1(15.75,29.84) ; v1(74.71,29.84) v1(75.75,29.84) ; v1(74.71,160.34) v1(75.75,160.34) ; v1(14.71,160.34) v1(15.75,160.34) ; v1(14.71,116.84) v1(15.75,116.84) ; v1(74.71,116.84) v1(75.75,116.84) ; v1(74.71,73.34) v1(75.75,73.34) ; v1(14.71,73.34) v1(15.75,73.34)
  Bottom w0.178: v1(75.75,73.34) 75.56,73.53 75.56,74.94 78.99,78.37 78.99,79.82 U9#5.3 ; v1(15.75,29.84) 15.56,30.03 15.56,31.44 18.99,34.87 18.99,36.32 U9#7.3 ; U3#2.6 v1(14.71,29.84) ; v1(15.75,160.34) 15.56,160.53 15.56,161.94 18.99,165.37 18.99,166.82 U9.3 ; U9#2.3 78.99,36.32 78.99,34.87 75.56,31.44 75.56,30.03 v1(75.75,29.84) ; v1(75.75,116.84) 75.56,117.03 75.56,118.44 78.99,121.87 78.99,123.32 U9#6.3 ; U9#8.3 78.99,166.82 78.99,165.37 75.56,161.94 75.56,160.53 v1(75.75,160.34) ; U3.6 v1(74.71,29.84) ; U3#7.6 v1(14.71,73.34) ; U3#5.6 v1(14.71,160.34) ; U3#8.6 v1(74.71,160.34) ; U3#6.6 v1(14.71,116.84) ; v1(15.75,116.84) 15.56,117.03 15.56,118.44 18.99,121.87 18.99,123.32 U9#4.3 ; U9#3.3 18.99,79.82 18.99,78.37 15.56,74.94 15.56,73.53 v1(15.75,73.34) ; U3#4.6 v1(74.71,73.34) ; U3#3.6 v1(74.71,116.84)
ESP_DP: length 89.3
  Bottom w0.178: 73.19,159.07 74.98,159.07 75.23,159.32 75.23,162.07 78.66,165.5 78.66,166.17 78.53,166.3 U9#8.4 ; U9#6.4 78.53,122.8 78.66,122.67 78.66,122 75.23,118.57 75.23,115.82 74.98,115.57 U3#3.5 ; U3#7.5 14.98,72.07 15.23,72.32 15.23,75.07 18.66,78.5 18.66,79.17 18.53,79.3 U9#3.4 ; U3#6.5 14.98,115.57 15.23,115.82 15.23,118.57 18.66,122 18.66,122.67 18.53,122.8 U9#4.4 ; U9#5.4 78.53,79.3 78.66,79.17 78.66,78.5 75.23,75.07 75.23,72.32 74.98,72.07 U3#4.5 ; U9.4 18.53,166.3 18.66,166.17 18.66,165.5 15.23,162.07 15.23,159.32 14.98,159.07 13.19,159.07 ; U3.5 74.98,28.57 75.23,28.82 75.23,31.57 78.66,35 78.66,35.67 78.53,35.8 U9#2.4 ; U3#2.5 14.98,28.57 15.23,28.82 15.23,31.57 18.66,35 18.66,35.67 18.53,35.8 U9#7.4
ESP~{RST}: length 358.8
  Top w0.178: v1(86.47,110.17) 86.47,106.24 v1(88.06,104.65) 89.29,104.65 ; v1(86.47,153.67) 86.47,149.74 v1(88.06,148.15) 89.29,148.15 ; v1(86.47,23.17) 86.47,19.24 v1(88.06,17.65) 89.29,17.65 ; 29.3,104.65 v1(28.06,104.65) 26.47,106.24 v1(26.47,110.17) ; v1(26.47,66.67) 26.47,62.74 v1(28.06,61.14) 29.3,61.14 ; v1(26.47,23.17) 26.47,19.24 v1(28.06,17.65) 29.3,17.65 ; v1(86.47,66.67) 86.47,62.74 v1(88.06,61.14) 89.29,61.14 ; v1(26.47,153.67) 26.47,149.74 v1(28.06,148.15) 29.3,148.15
  In2.Cu w0.178: v1(72.69,78.29) 72.69,73.18 76.1,69.78 83.36,69.78 v1(84.5,68.64) 86.47,66.67 v1(86.47,66.67) ; v1(10.53,127.25) 10.53,124.2 TP5.1 ; TP5#2.1 10.53,80.7 v1(10.53,83.75) ; TP5#3.1 10.53,37.2 v1(10.53,40.25) ; TP5#7.1 70.53,167.7 v1(70.53,170.75) ; TP5#5.1 70.53,37.2 v1(70.53,40.25) ; v1(70.53,127.25) 70.53,124.2 TP5#4.1 ; v1(12.69,34.79) 12.69,29.68 16.1,26.28 23.36,26.28 v1(24.5,25.14) 26.47,23.17 v1(26.47,23.17) ; v1(26.47,66.67) 26.47,66.67 v1(24.5,68.64) 23.36,69.78 16.1,69.78 12.69,73.18 v1(12.69,78.29) ; v1(86.47,110.17) 86.47,110.17 v1(84.5,112.14) 83.36,113.28 76.1,113.28 72.69,116.68 v1(72.69,121.79) ; v1(86.47,23.17) 86.47,23.17 v1(84.5,25.14) 83.36,26.28 76.1,26.28 72.69,29.68 v1(72.69,34.79) ; TP5#8.1 70.53,80.7 v1(70.53,83.75) ; v1(26.47,153.67) 26.47,153.67 v1(24.5,155.64) 23.36,156.78 16.1,156.78 12.69,160.18 v1(12.69,165.29) ; v1(72.69,165.29) 72.69,160.18 76.1,156.78 83.36,156.78 v1(84.5,155.64) 86.47,153.67 v1(86.47,153.67) ; v1(10.53,170.75) 10.53,167.7 TP5#6.1 ; v1(26.47,110.17) 26.47,110.17 v1(24.5,112.14) 23.36,113.28 16.1,113.28 12.69,116.68 v1(12.69,121.79)
  Bottom w0.178: Q1#2.3 24.79,155.92 v1(24.5,155.64) ; v1(24.5,112.14) 24.79,112.42 Q1#6.3 ; C8#5.1 87.17,17.9 87.8,17.9 v1(88.06,17.65) ; v1(72.69,78.29) 70.53,80.45 v1(70.53,83.75) ; Q1#7.3 84.79,68.92 v1(84.5,68.64) ; v1(10.53,40.25) 10.53,36.95 v1(12.69,34.79) ; v1(72.69,165.29) 70.53,167.45 v1(70.53,170.75) ; Q1#3.3 24.79,25.42 v1(24.5,25.14) ; v1(28.06,61.14) 27.8,61.4 R1#5.2 C8#6.1 ; C8#7.1 R1#2.2 87.8,148.4 v1(88.06,148.15) ; v1(72.69,34.79) 70.53,36.95 v1(70.53,40.25) ; C8.1 27.17,17.9 27.8,17.9 v1(28.06,17.65) ; v1(28.06,104.65) 27.8,104.9 27.17,104.9 27.17,105.94 ; v1(84.5,25.14) 84.79,25.42 Q1#5.3 ; v1(28.06,148.15) 27.8,148.4 R1#3.2 C8#2.1 ; Q1#8.3 84.79,155.92 v1(84.5,155.64) ; C8#3.1 R1#8.2 87.8,61.4 v1(88.06,61.14) ; v1(24.5,68.64) 24.79,68.92 Q1.3 ; 87.17,105.94 87.17,104.9 87.8,104.9 v1(88.06,104.65) ; v1(70.53,127.25) 70.53,123.95 v1(72.69,121.79) ; v1(84.5,112.14) 84.79,112.42 Q1#4.3 ; v1(10.53,127.25) 10.53,123.95 v1(12.69,121.79) ; v1(12.69,78.29) 10.53,80.45 v1(10.53,83.75) ; v1(12.69,165.29) 10.53,167.45 v1(10.53,170.75)